# Altium PCB OBC Development Board.PcbDoc (part 1 of 3)
Units mil, origin at the board's own origin, x right, y up, seen from the top; angles counter-clockwise.
Board outline 3775.59 x 3550.2 mil, 6 copper layers (L1 Top Layer, L2 GND, L3 Signal, L4 Signal, L5 GND, L6 Bottom Layer), stack 61.638 mil thick; 225 components, 188 nets, 885 pads, 667 vias.
Unrouted connection lines stored in the file: 1.
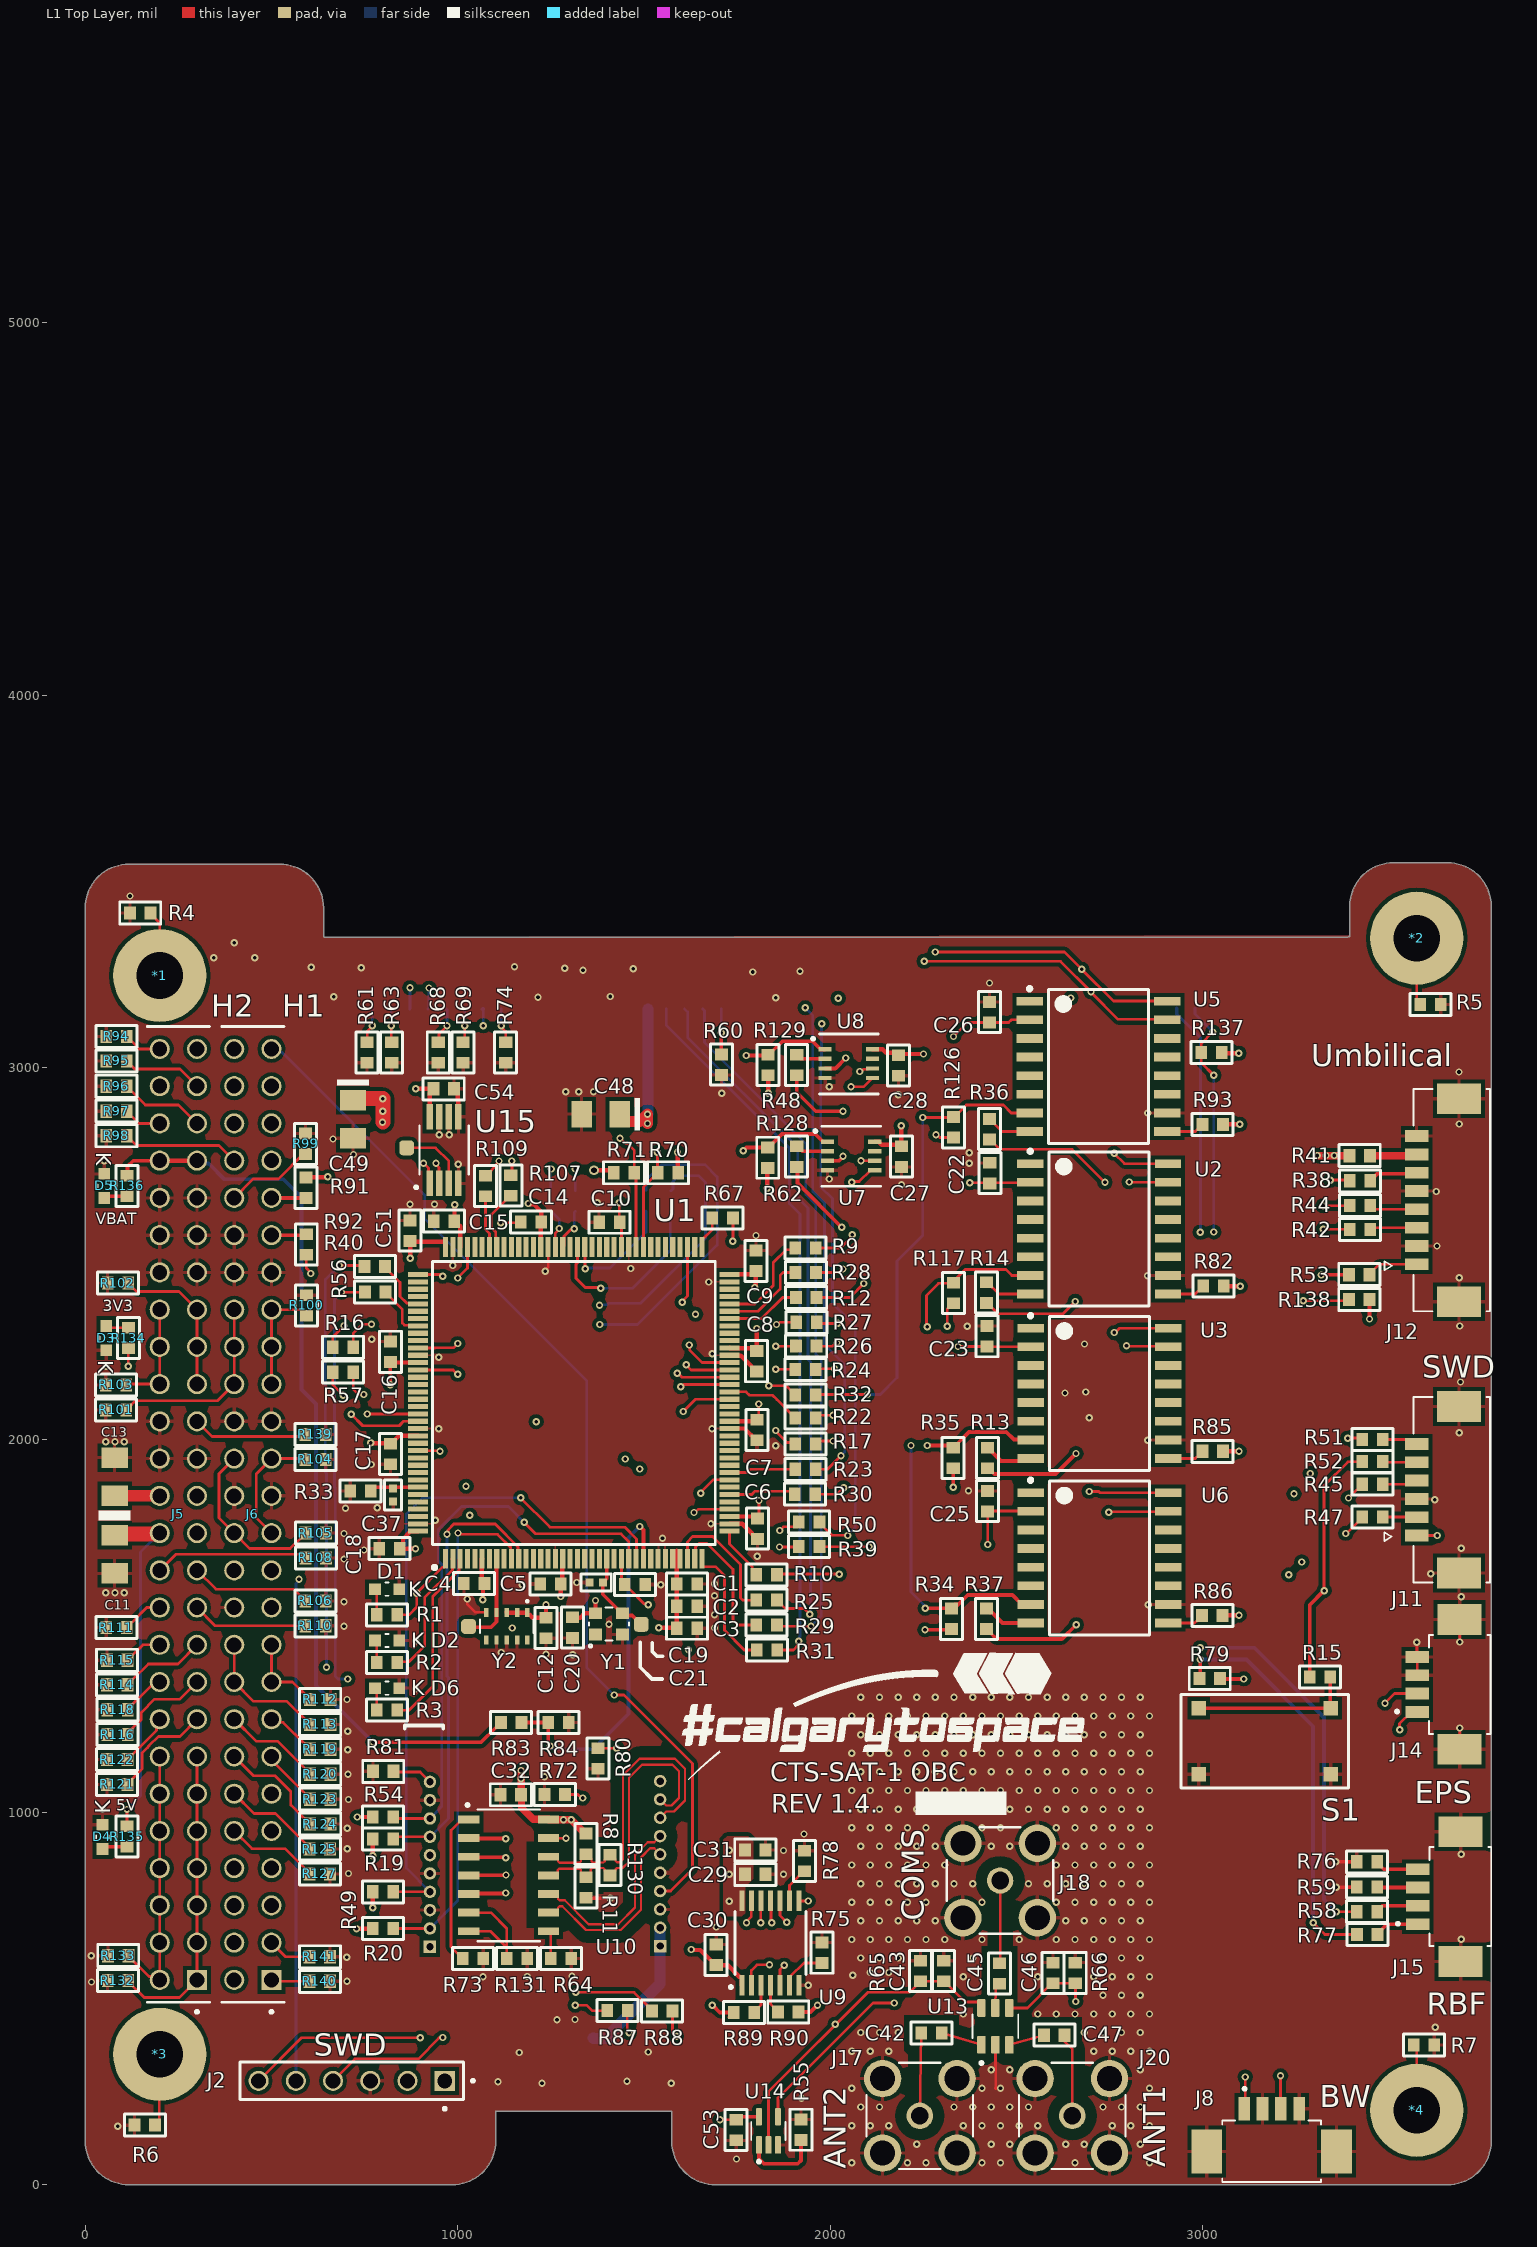
[diagram p0: L1 Top Layer view]
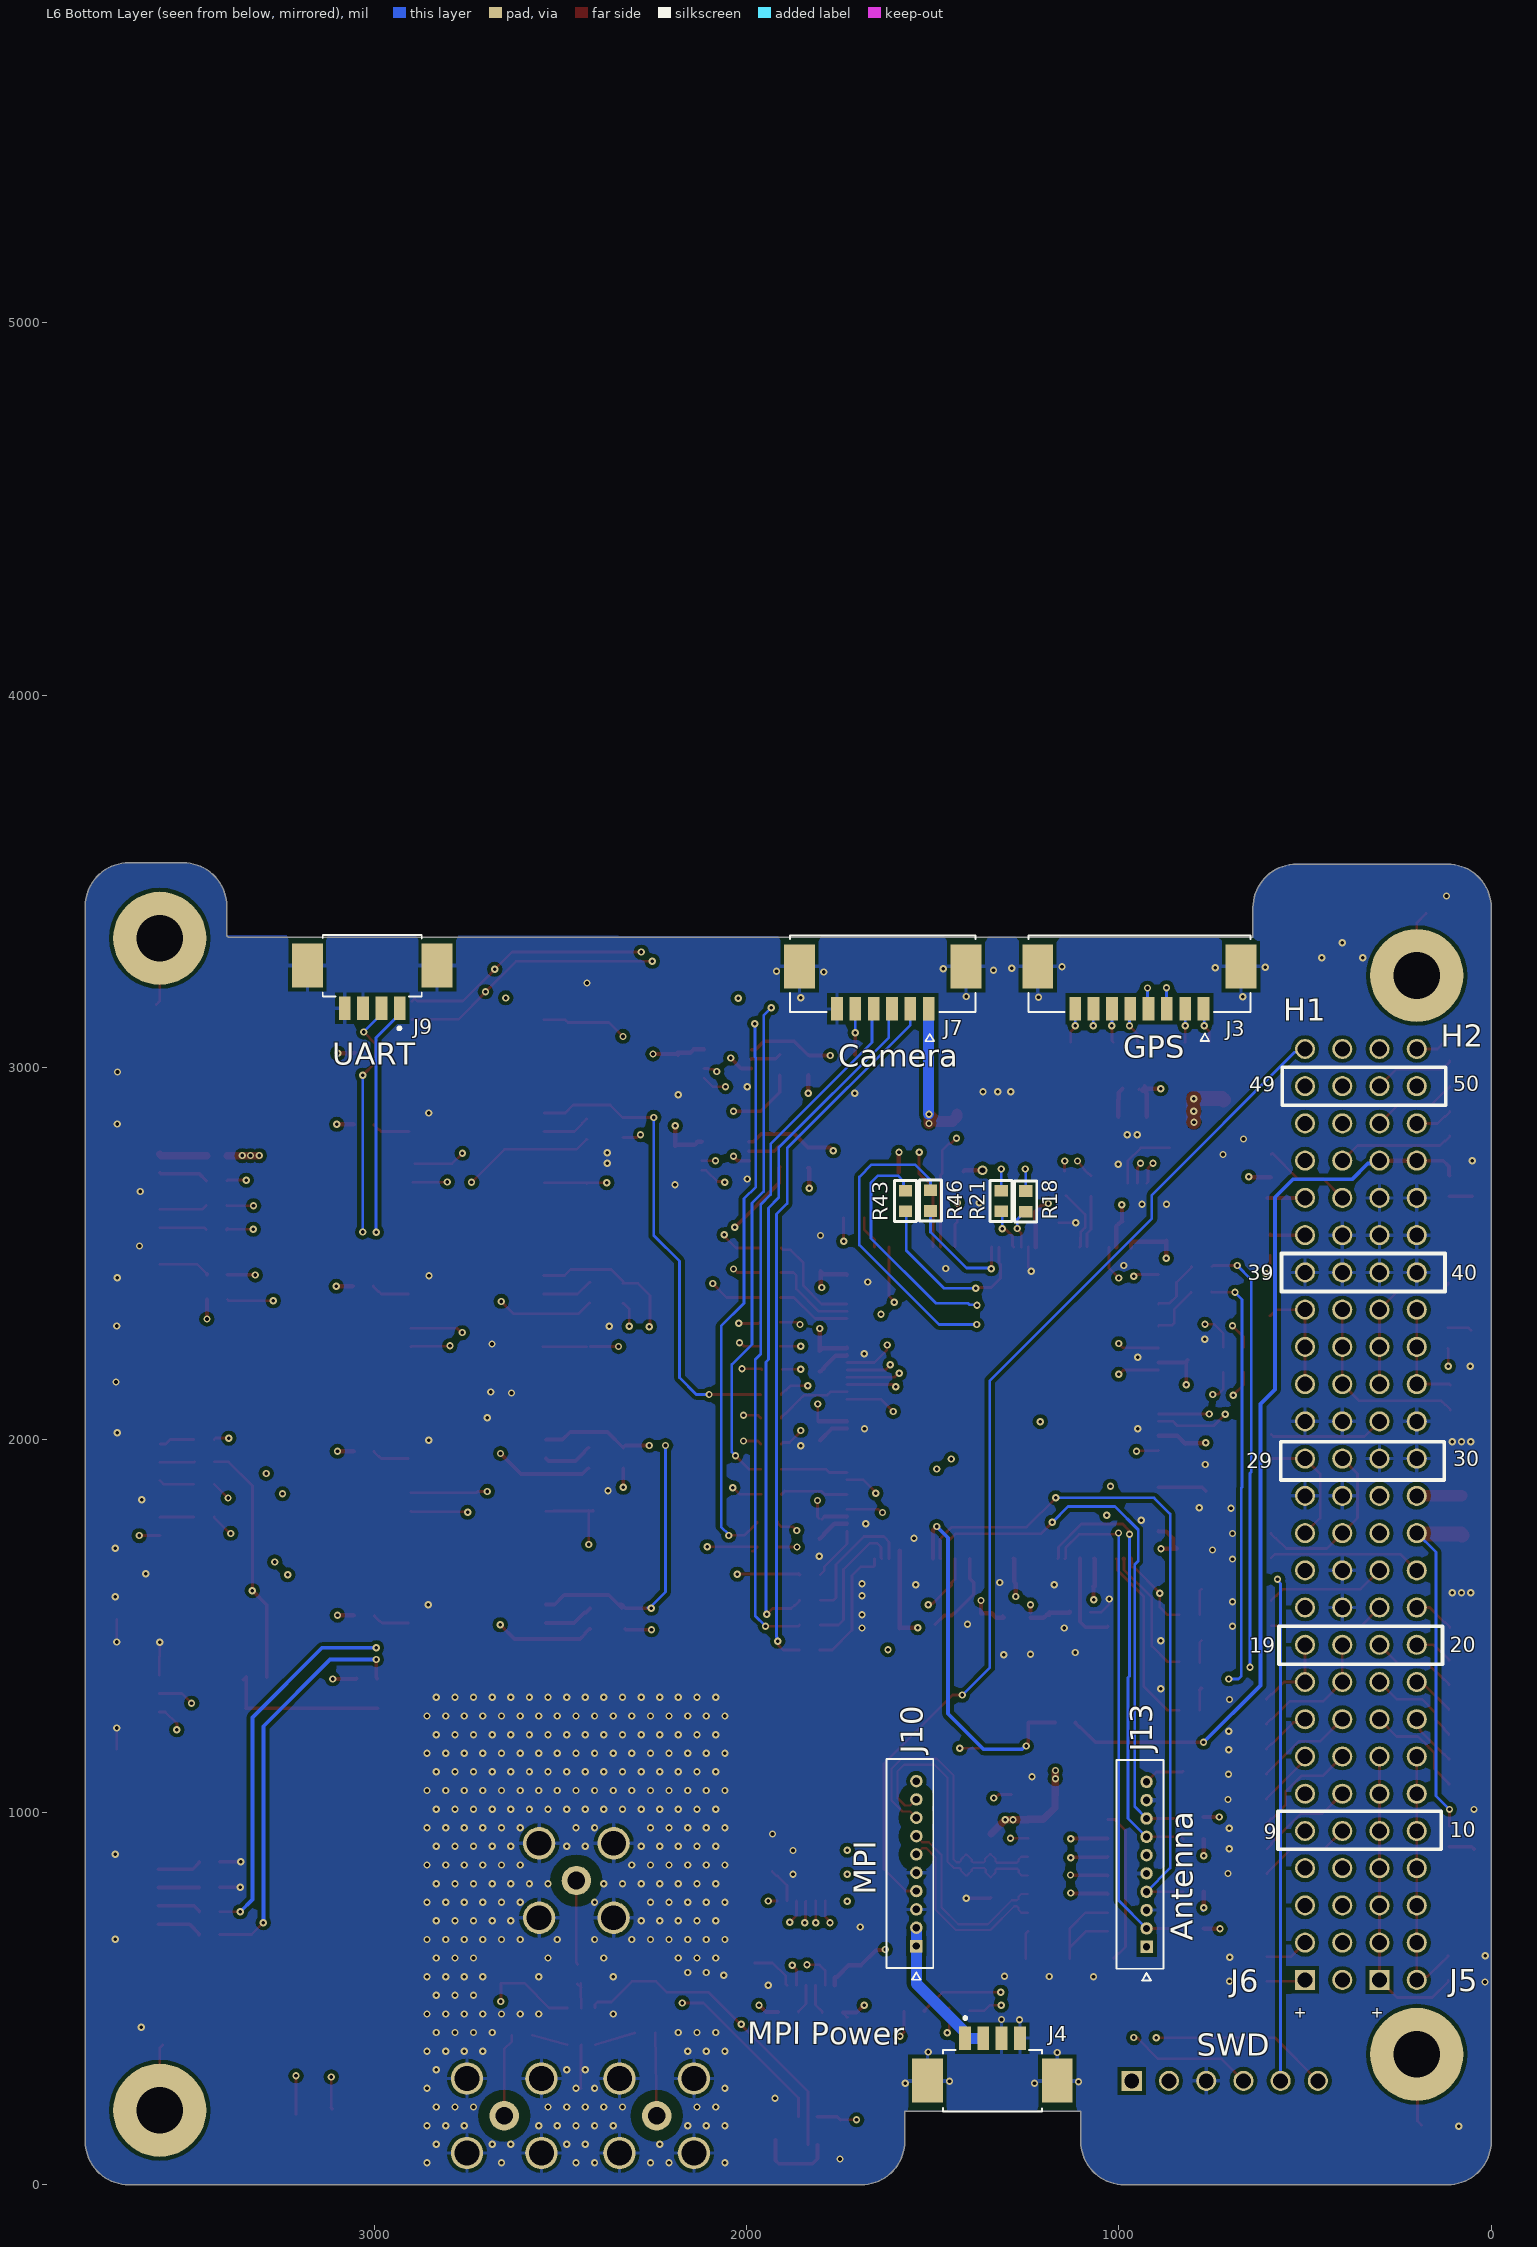
[diagram p1: L6 Bottom Layer view, seen from below]
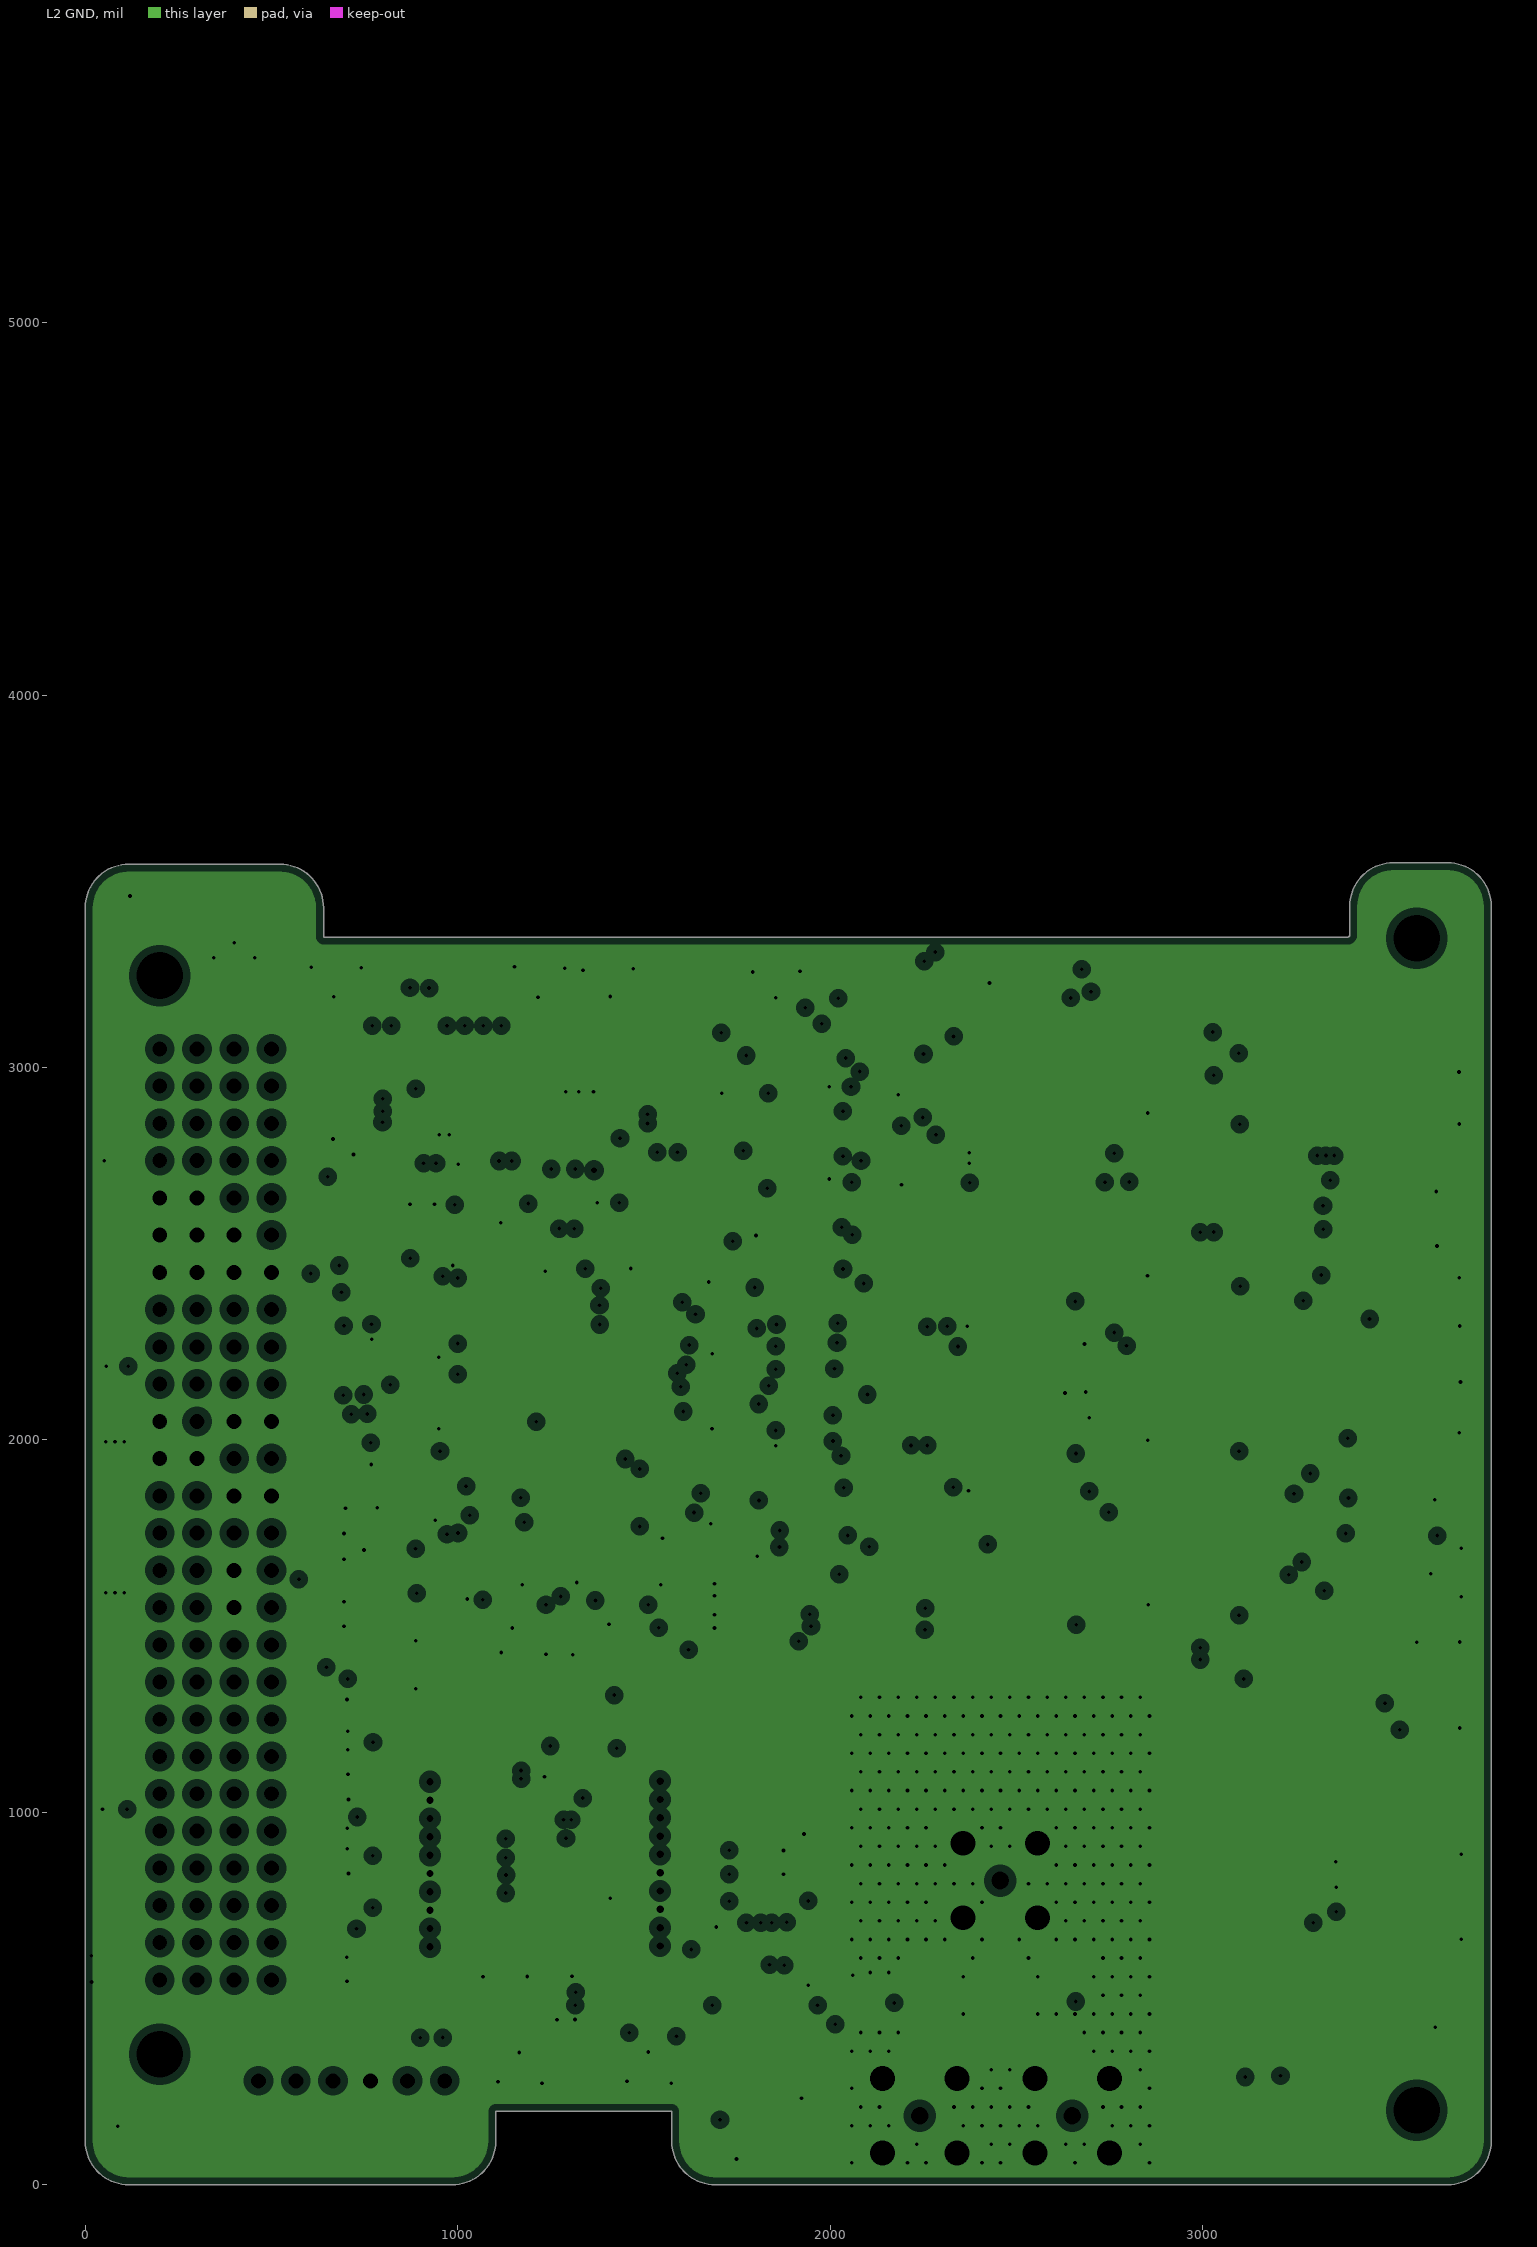
[diagram p2: L2 GND, clearances drawn from the general rule]